# KiCad board ae89fa26-SparkFun_Thing_Plus_ESP32-S3_panelized.kicad_pcb (continued)
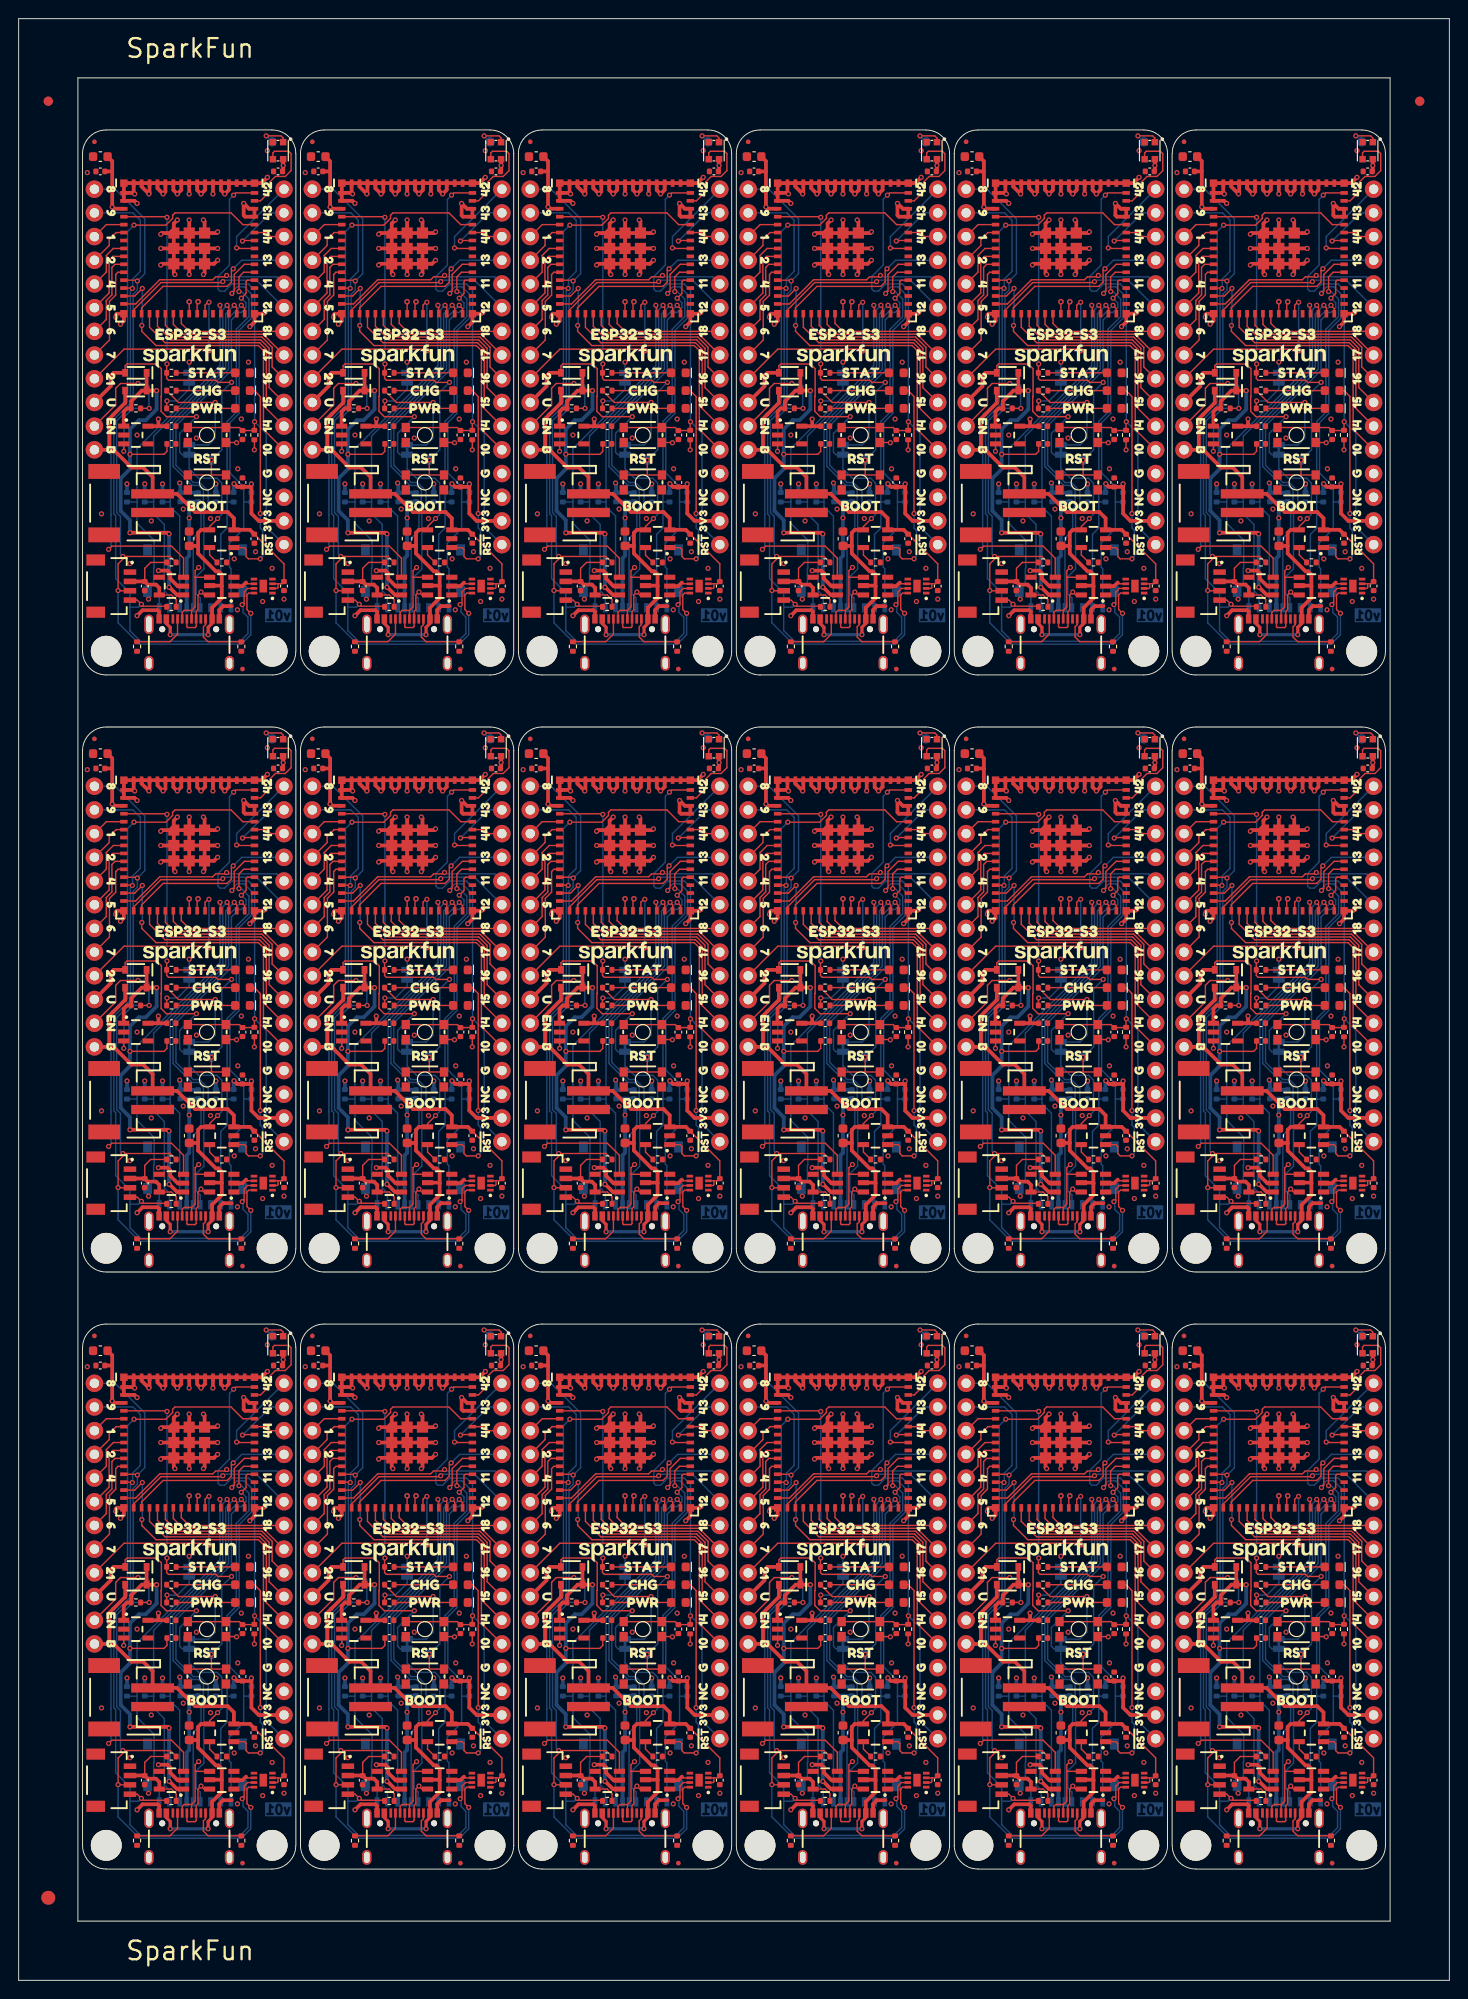
[diagram p0: board, top side]
## Routing (per net, layer and track width the routed paths; a pad name or vN(x,y) marks a point on that pad's centre or on a via; arc(x,y) is an arc through that point) (continued)
ESP13/POCI: length 337
  Top w0.152: U3#12.17 129.98,115.28 132.29,117.59 139.14,117.59 139.6,118.04 139.6,119.27 v1(139.8,119.47) ; U3#16.17 129.98,51.28 132.29,53.59 139.14,53.59 139.6,54.04 139.6,55.27 v1(139.8,55.47) ; v1(69.72,55.47) 69.52,55.27 69.52,54.04 69.06,53.59 62.21,53.59 59.9,51.28 U3#17.17 ; v1(93.08,119.47) 92.88,119.27 92.88,118.04 92.42,117.59 85.57,117.59 83.26,115.28 U3#15.17 ; U3.17 36.54,179.28 38.85,181.59 45.7,181.59 46.16,182.04 46.16,183.27 v1(46.36,183.47) ; U3#18.17 13.18,51.28 15.49,53.59 22.34,53.59 22.8,54.04 22.8,55.27 v1(23,55.47) ; v1(46.36,119.47) 46.16,119.27 46.16,118.04 45.7,117.59 38.85,117.59 36.54,115.28 U3#5.17 ; v1(139.8,183.47) 139.6,183.27 139.6,182.04 139.14,181.59 132.29,181.59 129.98,179.28 U3#13.17 ; U3#11.17 83.26,51.28 85.57,53.59 92.42,53.59 92.88,54.04 92.88,55.27 v1(93.08,55.47) ; U3#3.17 13.18,179.28 15.49,181.59 22.34,181.59 22.8,182.04 22.8,183.27 v1(23,183.47) ; U3#4.17 13.18,115.28 15.49,117.59 22.34,117.59 22.8,118.04 22.8,119.27 v1(23,119.47) ; U3#2.17 36.54,51.28 38.85,53.59 45.7,53.59 46.16,54.04 46.16,55.27 v1(46.36,55.47) ; v1(116.44,119.47) 116.24,119.27 116.24,118.04 115.78,117.59 108.93,117.59 106.62,115.28 U3#9.17 ; v1(116.44,183.47) 116.24,183.27 116.24,182.04 115.78,181.59 108.93,181.59 106.62,179.28 U3#6.17 ; v1(93.08,183.47) 92.88,183.27 92.88,182.04 92.42,181.59 85.57,181.59 83.26,179.28 U3#10.17 ; v1(69.72,119.47) 69.52,119.27 69.52,118.04 69.06,117.59 62.21,117.59 59.9,115.28 U3#8.17 ; U3#7.17 59.9,179.28 62.21,181.59 69.06,181.59 69.52,182.04 69.52,183.27 v1(69.72,183.47) ; U3#14.17 106.62,51.28 108.93,53.59 115.78,53.59 116.24,54.04 116.24,55.27 v1(116.44,55.47)
  Bottom w0.152: U10#14.16 117.35,56.38 v1(116.44,55.47) ; v1(23,183.47) 23.91,184.38 U10#2.16 ; U10#3.16 47.27,56.38 v1(46.36,55.47) ; U10#10.16 140.71,56.38 v1(139.8,55.47) ; v1(46.36,119.47) 47.27,120.38 U10#4.16 ; U10#9.16 70.63,120.38 v1(69.72,119.47) ; U10#7.16 140.71,184.38 v1(139.8,183.47) ; U10.16 23.91,120.38 v1(23,119.47) ; v1(46.36,183.47) 47.27,184.38 U10#5.16 ; v1(93.08,183.47) 93.99,184.38 U10#13.16 ; U10#6.16 70.63,56.38 v1(69.72,55.47) ; U10#16.16 117.35,184.38 v1(116.44,183.47) ; U10#17.16 93.99,120.38 v1(93.08,119.47) ; v1(93.08,55.47) 93.99,56.38 U10#11.16 ; v1(116.44,119.47) 117.35,120.38 U10#15.16 ; v1(69.72,183.47) 70.63,184.38 U10#12.16 ; U10#18.16 23.91,56.38 v1(23,55.47) ; U10#8.16 140.71,120.38 v1(139.8,119.47)
ESP14/A1: length 431.2
  Top w0.152: U10#12.23 73.27,168.49 73.27,174.82 72.55,175.54 62.41,175.54 60.75,177.2 U3#7.18 ; U3#18.18 14.03,49.2 15.69,47.54 25.83,47.54 26.55,46.82 26.55,40.49 U10#18.23 ; U3#16.18 130.83,49.2 132.49,47.54 142.63,47.54 143.35,46.82 143.35,40.49 U10#10.23 ; U3#3.18 14.03,177.2 15.69,175.54 25.83,175.54 26.55,174.82 26.55,168.49 U10#2.23 ; U3#15.18 84.11,113.2 85.77,111.54 95.91,111.54 96.63,110.82 96.63,104.49 U10#17.23 ; U3#14.18 107.47,49.2 109.13,47.54 119.27,47.54 119.99,46.82 119.99,40.49 U10#14.23 ; U10#9.23 73.27,104.49 73.27,110.82 72.55,111.54 62.41,111.54 60.75,113.2 U3#8.18 ; U3#6.18 107.47,177.2 109.13,175.54 119.27,175.54 119.99,174.82 119.99,168.49 U10#16.23 ; U3#13.18 130.83,177.2 132.49,175.54 142.63,175.54 143.35,174.82 143.35,168.49 U10#7.23 ; U10#5.23 49.91,168.49 49.91,174.82 49.19,175.54 39.05,175.54 37.39,177.2 U3.18 ; U10#8.23 143.35,104.49 143.35,110.82 142.63,111.54 132.49,111.54 130.83,113.2 U3#12.18 ; U10#15.23 119.99,104.49 119.99,110.82 119.27,111.54 109.13,111.54 107.47,113.2 U3#9.18 ; U10#6.23 73.27,40.49 73.27,46.82 72.55,47.54 62.41,47.54 60.75,49.2 U3#17.18 ; U10.23 26.55,104.49 26.55,110.82 25.83,111.54 15.69,111.54 14.03,113.2 U3#4.18 ; U10#13.23 96.63,168.49 96.63,174.82 95.91,175.54 85.77,175.54 84.11,177.2 U3#10.18 ; U10#11.23 96.63,40.49 96.63,46.82 95.91,47.54 85.77,47.54 84.11,49.2 U3#11.18 ; U10#3.23 49.91,40.49 49.91,46.82 49.19,47.54 39.05,47.54 37.39,49.2 U3#2.18 ; U3#5.18 37.39,113.2 39.05,111.54 49.19,111.54 49.91,110.82 49.91,104.49 U10#4.23
ESP15/A2: length 373.7
  Top w0.152: U10#9.22 73.57,106.73 73.57,110.95 72.67,111.85 63.06,111.85 61.6,113.3 U3#8.19 ; U10#4.22 50.21,106.73 50.21,110.95 49.31,111.85 39.7,111.85 38.24,113.3 U3#5.19 ; U10#18.22 26.85,42.73 26.85,46.95 25.95,47.85 16.34,47.85 14.88,49.3 U3#18.19 ; U10#3.22 50.21,42.73 50.21,46.95 49.31,47.85 39.7,47.85 38.24,49.3 U3#2.19 ; U3#14.19 108.32,49.3 109.78,47.85 119.39,47.85 120.29,46.95 120.29,42.73 U10#14.22 ; U10#16.22 120.29,170.73 120.29,174.95 119.39,175.85 109.78,175.85 108.32,177.3 U3#6.19 ; U3#17.19 61.6,49.3 63.06,47.85 72.67,47.85 73.57,46.95 73.57,42.73 U10#6.22 ; U3#11.19 84.96,49.3 86.42,47.85 96.03,47.85 96.93,46.95 96.93,42.73 U10#11.22 ; U10.22 26.85,106.73 26.85,110.95 25.95,111.85 16.34,111.85 14.88,113.3 U3#4.19 ; U10#7.22 143.65,170.73 143.65,174.95 142.75,175.85 133.14,175.85 131.68,177.3 U3#13.19 ; U3#3.19 14.88,177.3 16.34,175.85 25.95,175.85 26.85,174.95 26.85,170.73 U10#2.22 ; U3#10.19 84.96,177.3 86.42,175.85 96.03,175.85 96.93,174.95 96.93,170.73 U10#13.22 ; U3#12.19 131.68,113.3 133.14,111.85 142.75,111.85 143.65,110.95 143.65,106.73 U10#8.22 ; U3.19 38.24,177.3 39.7,175.85 49.31,175.85 50.21,174.95 50.21,170.73 U10#5.22 ; U10#10.22 143.65,42.73 143.65,46.95 142.75,47.85 133.14,47.85 131.68,49.3 U3#16.19 ; U3#7.19 61.6,177.3 63.06,175.85 72.67,175.85 73.57,174.95 73.57,170.73 U10#12.22 ; U3#15.19 84.96,113.3 86.42,111.85 96.03,111.85 96.93,110.95 96.93,106.73 U10#17.22 ; U10#15.22 120.29,106.73 120.29,110.95 119.39,111.85 109.78,111.85 108.32,113.3 U3#9.19
ESP16/A3: length 316.1
  Top w0.152: U10#15.21 120.61,108.95 120.61,111.06 119.52,112.15 110.42,112.15 109.17,113.41 U3#9.20 ; U10#6.21 73.89,44.95 73.89,47.06 72.8,48.15 63.7,48.15 62.45,49.41 U3#17.20 ; U10#12.21 73.89,172.95 73.89,175.06 72.8,176.15 63.7,176.15 62.45,177.41 U3#7.20 ; U10#13.21 97.25,172.95 97.25,175.06 96.16,176.15 87.06,176.15 85.81,177.41 U3#10.20 ; U10#4.21 50.53,108.95 50.53,111.06 49.44,112.15 40.34,112.15 39.09,113.41 U3#5.20 ; U3#3.20 15.73,177.41 16.98,176.15 26.08,176.15 27.17,175.06 27.17,172.95 U10#2.21 ; U3#13.20 132.53,177.41 133.78,176.15 142.88,176.15 143.97,175.06 143.97,172.95 U10#7.21 ; U10#8.21 143.97,108.95 143.97,111.06 142.88,112.15 133.78,112.15 132.53,113.41 U3#12.20 ; U3#16.20 132.53,49.41 133.78,48.15 142.88,48.15 143.97,47.06 143.97,44.95 U10#10.21 ; U3#14.20 109.17,49.41 110.42,48.15 119.52,48.15 120.61,47.06 120.61,44.95 U10#14.21 ; U3#18.20 15.73,49.41 16.98,48.15 26.08,48.15 27.17,47.06 27.17,44.95 U10#18.21 ; U3#6.20 109.17,177.41 110.42,176.15 119.52,176.15 120.61,175.06 120.61,172.95 U10#16.21 ; U10#3.21 50.53,44.95 50.53,47.06 49.44,48.15 40.34,48.15 39.09,49.41 U3#2.20 ; U10#17.21 97.25,108.95 97.25,111.06 96.16,112.15 87.06,112.15 85.81,113.41 U3#15.20 ; U10#5.21 50.53,172.95 50.53,175.06 49.44,176.15 40.34,176.15 39.09,177.41 U3.20 ; U3#11.20 85.81,49.41 87.06,48.15 96.16,48.15 97.25,47.06 97.25,44.95 U10#11.21 ; U3#8.20 62.45,113.41 63.7,112.15 72.8,112.15 73.89,111.06 73.89,108.95 U10#9.21 ; U3#4.20 15.73,113.41 16.98,112.15 26.08,112.15 27.17,111.06 27.17,108.95 U10.21
ESP17/A4: length 258.6
  Top w0.152: U10#6.20 72.92,48.46 64.35,48.46 63.3,49.51 U3#17.21 ; U3#7.21 63.3,177.51 64.35,176.46 72.92,176.46 U10#12.20 ; U3#6.21 110.02,177.51 111.07,176.46 119.64,176.46 U10#16.20 ; U10#9.20 72.92,112.46 64.35,112.46 63.3,113.51 U3#8.21 ; U10#17.20 96.28,112.46 87.71,112.46 86.66,113.51 U3#15.21 ; U3#12.21 133.38,113.51 134.43,112.46 143,112.46 U10#8.20 ; U3#3.21 16.58,177.51 17.63,176.46 26.2,176.46 U10#2.20 ; U3#4.21 16.58,113.51 17.63,112.46 26.2,112.46 U10.20 ; U3#2.21 39.94,49.51 40.99,48.46 49.56,48.46 U10#3.20 ; U10#15.20 119.64,112.46 111.07,112.46 110.02,113.51 U3#9.21 ; U10#13.20 96.28,176.46 87.71,176.46 86.66,177.51 U3#10.21 ; U10#5.20 49.56,176.46 40.99,176.46 39.94,177.51 U3.21 ; U10#7.20 143,176.46 134.43,176.46 133.38,177.51 U3#13.21 ; U3#5.21 39.94,113.51 40.99,112.46 49.56,112.46 U10#4.20 ; U3#14.21 110.02,49.51 111.07,48.46 119.64,48.46 U10#14.20 ; U3#16.21 133.38,49.51 134.43,48.46 143,48.46 U10#10.20 ; U3#11.21 86.66,49.51 87.71,48.46 96.28,48.46 U10#11.20 ; U3#18.21 16.58,49.51 17.63,48.46 26.2,48.46 U10#18.20
ESP18/A5: length 223.2
  Top w0.152: U3#8.22 64.15,113.61 65,112.76 U10#9.19 ; U10#2.19 18.28,176.76 17.43,177.61 U3#3.22 ; U10#15.19 111.72,112.76 110.87,113.61 U3#9.22 ; U3#6.22 110.87,177.61 111.72,176.76 U10#16.19 ; U3#16.22 134.23,49.61 135.08,48.76 U10#10.19 ; U3#15.22 87.51,113.61 88.36,112.76 U10#17.19 ; U10#14.19 111.72,48.76 110.87,49.61 U3#14.22 ; U3#10.22 87.51,177.61 88.36,176.76 U10#13.19 ; U10#6.19 65,48.76 64.15,49.61 U3#17.22 ; U10.19 18.28,112.76 17.43,113.61 U3#4.22 ; U10#3.19 41.64,48.76 40.79,49.61 U3#2.22 ; U3#12.22 134.23,113.61 135.08,112.76 U10#8.19 ; U10#11.19 88.36,48.76 87.51,49.61 U3#11.22 ; U10#4.19 41.64,112.76 40.79,113.61 U3#5.22 ; U3#13.22 134.23,177.61 135.08,176.76 U10#7.19 ; U10#5.19 41.64,176.76 40.79,177.61 U3.22 ; U3#18.22 17.43,49.61 18.28,48.76 U10#18.19 ; U10#12.19 65,176.76 64.15,177.61 U3#7.22
ESP19/D-: length 713.2
  Top w0.152: 18.53,18.85 17.74,18.85 17.53,18.64 J1#18.B7 ; 18.53,18.85 18.92,19.23 18.92,22.42 ; 18.53,18.85 J1#18.A7 ; 65.25,18.85 65.63,19.23 65.63,22.42 ; 65.25,18.85 64.46,18.85 64.25,18.64 J1#2.B7 ; 65.25,18.85 J1#2.A7 ; U2#18.4 18.93,22.41 18.92,22.42 ; v1(42.66,151.45) 42.62,151.45 42.28,151.1 42.28,150.42 ; U3#2.23 v2(41.64,51.94) ; 18.92,150.42 18.92,151.1 19.26,151.45 v1(19.3,151.45) ; 18.92,150.42 18.92,147.23 18.53,146.85 ; 18.92,150.42 18.93,150.41 U2#3.4 ; U2#5.4 65.65,22.41 65.63,22.42 ; U3#9.23 v2(111.72,115.94) ; U3#11.23 v2(88.36,51.94) ; U3#4.23 v2(18.28,115.94) ; 112.35,86.42 112.35,83.23 111.97,82.85 ; 112.35,86.42 112.37,86.41 U2#8.4 ; 112.35,86.42 112.35,87.1 112.7,87.45 v1(112.74,87.45) ; J1#10.A7 135.33,82.85 ; 135.33,82.85 135.72,83.23 135.72,86.42 ; 135.33,82.85 134.54,82.85 134.33,82.64 J1#10.B7 ; 135.72,150.42 135.72,147.23 135.33,146.85 ; 135.72,150.42 135.73,150.41 U2#10.4 ; 135.72,150.42 135.72,151.1 136.06,151.45 v1(136.1,151.45) ; J1#3.A7 41.89,82.85 ; 41.89,82.85 42.28,83.23 42.28,86.42 ; 41.89,82.85 41.1,82.85 40.89,82.64 J1#3.B7 ; 135.33,18.85 135.72,19.23 135.72,22.42 ; 135.33,18.85 J1#9.A7 ; 135.33,18.85 134.54,18.85 134.33,18.64 J1#9.B7 ; 89,22.42 89,19.23 88.61,18.85 ; 89,22.42 89.01,22.41 U2#11.4 ; 89,22.42 89,23.1 89.34,23.45 v1(89.38,23.45) ; U3#14.23 v2(111.72,51.94) ; 41.89,146.85 41.1,146.85 40.89,146.64 J1#12.B7 ; 41.89,146.85 42.28,147.23 42.28,150.42 ; 41.89,146.85 J1#12.A7 ; 42.28,22.42 42.28,23.1 42.62,23.45 v1(42.66,23.45) ; 42.28,22.42 42.28,19.23 41.89,18.85 ; 42.28,22.42 42.29,22.41 U2.4 ; J1#14.B7 110.97,82.64 111.18,82.85 111.97,82.85 ; 89,86.42 89,83.23 88.61,82.85 ; 89,86.42 89,87.1 89.34,87.45 v1(89.38,87.45) ; 89,86.42 89.01,86.41 U2#9.4 ; 88.61,146.85 89,147.23 89,150.42 ; 88.61,146.85 J1#17.A7 ; 88.61,146.85 87.82,146.85 87.61,146.64 J1#17.B7 ; 65.25,146.85 65.63,147.23 65.63,150.42 ; 65.25,146.85 J1#13.A7 ; 65.25,146.85 64.46,146.85 64.25,146.64 J1#13.B7 ; 135.72,22.42 135.72,23.1 136.06,23.45 v1(136.1,23.45) ; 135.72,22.42 135.73,22.41 U2#4.4 ; 88.61,82.85 87.82,82.85 87.61,82.64 J1#5.B7 ; 88.61,82.85 J1#5.A7 ; 18.92,86.42 18.92,87.1 19.26,87.45 v1(19.3,87.45) ; 18.92,86.42 18.93,86.41 U2#2.4 ; 18.92,86.42 18.92,83.23 18.53,82.85 ; 135.33,146.85 J1#11.A7 ; 135.33,146.85 134.54,146.85 134.33,146.64 J1#11.B7 ; v1(136.1,87.45) 136.06,87.45 135.72,87.1 135.72,86.42 ; 111.97,82.85 J1#14.A7 ; 111.97,18.85 112.35,19.23 112.35,22.42 ; 111.97,18.85 111.18,18.85 110.97,18.64 J1#6.B7 ; 111.97,18.85 J1#6.A7 ; 89,150.42 89.01,150.41 U2#17.4 ; 89,150.42 89,151.1 89.34,151.45 v1(89.38,151.45) ; U3#3.23 v2(18.28,179.94) ; 65.63,150.42 65.63,151.1 65.98,151.45 v1(66.02,151.45) ; 65.63,150.42 65.65,150.41 U2#6.4 ; v1(42.66,87.45) 42.62,87.45 42.28,87.1 42.28,86.42 ; J1#7.B7 110.97,146.64 111.18,146.85 111.97,146.85 ; U3#13.23 v2(135.08,179.94) ; J1.B7 17.53,82.64 17.74,82.85 18.53,82.85 ; 112.35,22.42 112.35,23.1 112.7,23.45 v1(112.74,23.45) ; 112.35,22.42 112.37,22.41 U2#15.4 ; U3.23 v2(41.64,179.94) ; 18.92,22.42 18.92,23.1 19.26,23.45 v1(19.3,23.45) ; 42.28,150.42 42.29,150.41 U2#12.4 ; 65.63,86.42 65.63,87.1 65.98,87.45 v1(66.02,87.45) ; 65.63,86.42 65.63,83.23 65.25,82.85 ; 65.63,86.42 65.65,86.41 U2#14.4 ; v1(66.02,23.45) 65.98,23.45 65.63,23.1 65.63,22.42 ; J1#15.A7 18.53,146.85 ; 18.53,146.85 17.74,146.85 17.53,146.64 J1#15.B7 ; 65.25,82.85 J1#8.A7 ; 65.25,82.85 64.46,82.85 64.25,82.64 J1#8.B7 ; J1#4.A7 88.61,18.85 ; 88.61,18.85 87.82,18.85 87.61,18.64 J1#4.B7 ; U3#10.23 v2(88.36,179.94) ; U3#8.23 v2(65,115.94) ; 42.28,86.42 42.29,86.41 U2#16.4 ; U3#15.23 v2(88.36,115.94) ; U3#16.23 v2(135.08,51.94) ; 18.53,82.85 J1.A7 ; U3#12.23 v2(135.08,115.94) ; 41.89,18.85 41.1,18.85 40.89,18.64 J1#16.B7 ; 41.89,18.85 J1#16.A7 ; U3#7.23 v2(65,179.94) ; 112.35,150.42 112.35,151.1 112.7,151.45 v1(112.74,151.45) ; 112.35,150.42 112.37,150.41 U2#13.4 ; 112.35,150.42 112.35,147.23 111.97,146.85 ; J1#7.A7 111.97,146.85 ; 135.72,86.42 135.73,86.41 U2#7.4 ; U3#5.23 v2(41.64,115.94) ; U3#17.23 v2(65,51.94) ; U3#18.23 v2(18.28,51.94) ; U3#6.23 v2(111.72,179.94)
  In1.Cu - GND w0.152: v2(111.72,179.94) 111.73,179.94 113,178.67 113,153.27 112.74,153 v1(112.74,151.45) ; v1(89.38,23.45) 89.38,25 89.64,25.27 89.64,50.67 88.37,51.94 v2(88.36,51.94) ; v2(135.08,115.94) 135.09,115.94 136.36,114.67 136.36,89.27 136.1,89 v1(136.1,87.45) ; v2(41.64,51.94) 41.65,51.94 42.92,50.67 42.92,25.27 42.66,25 v1(42.66,23.45) ; v1(66.02,87.45) 66.02,89 66.28,89.27 66.28,114.67 65.01,115.94 v2(65,115.94) ; v1(66.02,23.45) 66.02,25 66.28,25.27 66.28,50.67 65.01,51.94 v2(65,51.94) ; v2(135.08,179.94) 135.09,179.94 136.36,178.67 136.36,153.27 136.1,153 v1(136.1,151.45) ; v1(112.74,87.45) 112.74,89 113,89.27 113,114.67 111.73,115.94 v2(111.72,115.94) ; v1(19.3,151.45) 19.3,153 19.56,153.27 19.56,178.67 18.29,179.94 v2(18.28,179.94) ; v2(18.28,51.94) 18.29,51.94 19.56,50.67 19.56,25.27 19.3,25 v1(19.3,23.45) ; v1(89.38,151.45) 89.38,153 89.64,153.27 89.64,178.67 88.37,179.94 v2(88.36,179.94) ; v2(41.64,179.94) 41.65,179.94 42.92,178.67 42.92,153.27 42.66,153 v1(42.66,151.45) ; v2(135.08,51.94) 135.09,51.94 136.36,50.67 136.36,25.27 136.1,25 v1(136.1,23.45) ; v2(88.36,115.94) 88.37,115.94 89.64,114.67 89.64,89.27 89.38,89 v1(89.38,87.45) ; v2(111.72,51.94) 111.73,51.94 113,50.67 113,25.27 112.74,25 v1(112.74,23.45) ; v2(65,179.94) 65.01,179.94 66.28,178.67 66.28,153.27 66.02,153 v1(66.02,151.45) ; v2(41.64,115.94) 41.65,115.94 42.92,114.67 42.92,89.27 42.66,89 v1(42.66,87.45) ; v1(19.3,87.45) 19.3,89 19.56,89.27 19.56,114.67 18.29,115.94 v2(18.28,115.94)
ESP20/D+: length 715
  Top w0.152: v2(65.95,179.94) 65.85,179.83 U3#7.24 ; U2#5.6 66.59,20.51 v1(66.27,20.82) 65.94,20.49 65.94,18.92 65.75,18.73 J1#2.B6 65.75,17.12 65.63,17.01 64.84,17.01 64.75,17.1 J1#2.A6 ; J1#12.A6 41.39,145.1 41.48,145.01 42.28,145.01 42.39,145.12 J1#12.B6 42.39,146.73 42.58,146.92 42.58,148.49 v1(42.91,148.82) 43.22,148.51 U2#12.6 ; J1#9.A6 134.83,17.1 134.92,17.01 135.72,17.01 135.83,17.12 J1#9.B6 135.83,18.73 136.02,18.92 136.02,20.49 v1(136.35,20.82) 136.66,20.51 U2#4.6 ; U3#8.24 65.85,115.83 v2(65.95,115.94) ; v2(136.03,179.94) 135.93,179.83 U3#13.24 ; v2(136.03,115.94) 135.93,115.83 U3#12.24 ; J1#14.A6 111.47,81.1 111.56,81.01 112.35,81.01 112.47,81.13 J1#14.B6 112.47,82.73 112.66,82.92 112.66,84.49 v1(112.99,84.82) 113.31,84.51 U2#8.6 ; U2#10.6 136.66,148.51 v1(136.35,148.82) 136.02,148.49 136.02,146.92 135.83,146.73 J1#11.B6 135.83,145.12 135.72,145.01 134.92,145.01 134.83,145.1 J1#11.A6 ; U2#11.6 89.94,20.51 v1(89.63,20.82) 89.3,20.49 89.3,18.92 89.11,18.73 J1#4.B6 89.11,17.12 89,17.01 88.2,17.01 88.11,17.1 J1#4.A6 ; v2(19.23,51.94) 19.13,51.83 U3#18.24 ; U3#16.24 135.93,51.83 v2(136.03,51.94) ; J1#10.A6 134.83,81.1 134.92,81.01 135.72,81.01 135.83,81.13 J1#10.B6 135.83,82.73 136.02,82.92 136.02,84.49 v1(136.35,84.82) 136.66,84.51 U2#7.6 ; J1#13.A6 64.75,145.1 64.84,145.01 65.63,145.01 65.75,145.12 J1#13.B6 65.75,146.73 65.94,146.92 65.94,148.49 v1(66.27,148.82) 66.59,148.51 U2#6.6 ; U2.6 43.22,20.51 v1(42.91,20.82) 42.58,20.49 42.58,18.92 42.39,18.73 J1#16.B6 42.39,17.12 42.28,17.01 41.48,17.01 41.39,17.1 J1#16.A6 ; U3#3.24 19.13,179.83 v2(19.23,179.94) ; U3#2.24 42.49,51.83 v2(42.59,51.94) ; J1#6.A6 111.47,17.1 111.56,17.01 112.35,17.01 112.47,17.12 J1#6.B6 112.47,18.73 112.66,18.92 112.66,20.49 v1(112.99,20.82) 113.31,20.51 U2#15.6 ; U3#17.24 65.85,51.83 v2(65.95,51.94) ; U3#14.24 112.57,51.83 v2(112.67,51.94) ; v2(89.31,179.94) 89.21,179.83 U3#10.24 ; U3#9.24 112.57,115.83 v2(112.67,115.94) ; v2(42.59,179.94) 42.49,179.83 U3.24 ; U3#4.24 19.13,115.83 v2(19.23,115.94) ; U2#16.6 43.22,84.51 v1(42.91,84.82) 42.58,84.49 42.58,82.92 42.39,82.73 J1#3.B6 42.39,81.13 42.28,81.01 41.48,81.01 41.39,81.1 J1#3.A6 ; U2#9.6 89.94,84.51 v1(89.63,84.82) 89.3,84.49 89.3,82.92 89.11,82.73 J1#5.B6 89.11,81.13 89,81.01 88.2,81.01 88.11,81.1 J1#5.A6 ; U2#2.6 19.86,84.51 v1(19.55,84.82) 19.22,84.49 19.22,82.92 19.03,82.73 J1.B6 19.03,81.13 18.92,81.01 18.12,81.01 18.03,81.1 J1.A6 ; J1#8.A6 64.75,81.1 64.84,81.01 65.63,81.01 65.75,81.13 J1#8.B6 65.75,82.73 65.94,82.92 65.94,84.49 v1(66.27,84.82) 66.59,84.51 U2#14.6 ; U2#3.6 19.86,148.51 v1(19.55,148.82) 19.22,148.49 19.22,146.92 19.03,146.73 J1#15.B6 19.03,145.12 18.92,145.01 18.12,145.01 18.03,145.1 J1#15.A6 ; v2(42.59,115.94) 42.49,115.83 U3#5.24 ; U2#13.6 113.31,148.51 v1(112.99,148.82) 112.66,148.49 112.66,146.92 112.47,146.73 J1#7.B6 112.47,145.12 112.35,145.01 111.56,145.01 111.47,145.1 J1#7.A6 ; U3#15.24 89.21,115.83 v2(89.31,115.94) ; U2#18.6 19.86,20.51 v1(19.55,20.82) 19.22,20.49 19.22,18.92 19.03,18.73 J1#18.B6 19.03,17.12 18.92,17.01 18.12,17.01 18.03,17.1 J1#18.A6 ; U3#6.24 112.57,179.83 v2(112.67,179.94) ; v2(89.31,51.94) 89.21,51.83 U3#11.24 ; J1#17.A6 88.11,145.1 88.2,145.01 89,145.01 89.11,145.12 J1#17.B6 89.11,146.73 89.3,146.92 89.3,148.49 v1(89.63,148.82) 89.94,148.51 U2#17.6
  In1.Cu - GND w0.152: v1(136.35,84.82) 136.67,85.14 136.67,115.3 v2(136.03,115.94) ; v2(19.23,115.94) 19.87,115.3 19.87,85.14 v1(19.55,84.82) ; v2(65.95,179.94) 66.59,179.3 66.59,149.14 v1(66.27,148.82) ; v2(42.59,51.94) 43.23,51.3 43.23,21.14 v1(42.91,20.82) ; v1(112.99,20.82) 113.31,21.14 113.31,51.3 v2(112.67,51.94) ; v1(19.55,148.82) 19.87,149.14 19.87,179.3 v2(19.23,179.94) ; v2(112.67,115.94) 113.31,115.3 113.31,85.14 v1(112.99,84.82) ; v1(42.91,148.82) 43.23,149.14 43.23,179.3 v2(42.59,179.94) ; v2(19.23,51.94) 19.87,51.3 19.87,21.14 v1(19.55,20.82) ; v1(136.35,148.82) 136.67,149.14 136.67,179.3 v2(136.03,179.94) ; v1(66.27,20.82) 66.59,21.14 66.59,51.3 v2(65.95,51.94) ; v1(112.99,148.82) 113.31,149.14 113.31,179.3 v2(112.67,179.94) ; v2(136.03,51.94) 136.67,51.3 136.67,21.14 v1(136.35,20.82) ; v1(42.91,84.82) 43.23,85.14 43.23,115.3 v2(42.59,115.94) ; v2(89.31,51.94) 89.95,51.3 89.95,21.14 v1(89.63,20.82) ; v2(65.95,115.94) 66.59,115.3 66.59,85.14 v1(66.27,84.82) ; v1(89.63,148.82) 89.95,149.14 89.95,179.3 v2(89.31,179.94) ; v2(89.31,115.94) 89.95,115.3 89.95,85.14 v1(89.63,84.82)
ESP21: length 365.4
  Top w0.152: v2(20.4,46.7) 20.25,46.86 11.3,46.86 U10#18.9 ; v1(113.84,51.88) 113.73,51.88 113.42,51.57 U3#14.25 ; v2(43.76,46.7) 43.61,46.86 34.66,46.86 U10#3.9 ; v2(43.76,174.7) 43.61,174.86 34.66,174.86 U10#5.9 ; v1(67.12,179.88) 67.01,179.88 66.7,179.57 U3#7.25 ; v2(43.76,110.7) 43.61,110.86 34.66,110.86 U10#4.9 ; U3#8.25 66.7,115.57 67.01,115.88 v1(67.12,115.88) ; U10#13.9 81.38,174.86 90.33,174.86 v2(90.48,174.7) ; U3#5.25 43.34,115.57 43.65,115.88 v1(43.76,115.88) ; U3#17.25 66.7,51.57 67.01,51.88 v1(67.12,51.88) ; v1(90.48,51.88) 90.37,51.88 90.06,51.57 U3#11.25 ; U10#10.9 128.09,46.86 137.05,46.86 v2(137.2,46.7) ; U10#17.9 81.38,110.86 90.33,110.86 v2(90.48,110.7) ; v2(113.84,174.7) 113.69,174.86 104.74,174.86 U10#16.9 ; U10#6.9 58.01,46.86 66.97,46.86 v2(67.12,46.7) ; U3#18.25 19.98,51.57 20.29,51.88 v1(20.4,51.88) ; U3#2.25 43.34,51.57 43.65,51.88 v1(43.76,51.88) ; U10#8.9 128.09,110.86 137.05,110.86 v2(137.2,110.7) ; U10#2.9 11.3,174.86 20.25,174.86 v2(20.4,174.7) ; v1(137.2,115.88) 137.09,115.88 136.78,115.57 U3#12.25 ; U10#9.9 58.01,110.86 66.97,110.86 v2(67.12,110.7) ; U10#11.9 81.38,46.86 90.33,46.86 v2(90.48,46.7) ; U3.25 43.34,179.57 43.65,179.88 v1(43.76,179.88) ; v2(113.84,110.7) 113.69,110.86 104.74,110.86 U10#15.9 ; U3#15.25 90.06,115.57 90.37,115.88 v1(90.48,115.88) ; v1(137.2,179.88) 137.09,179.88 136.78,179.57 U3#13.25 ; U10#12.9 58.01,174.86 66.97,174.86 v2(67.12,174.7) ; U3#6.25 113.42,179.57 113.73,179.88 v1(113.84,179.88) ; v2(137.2,174.7) 137.05,174.86 128.09,174.86 U10#7.9 ; U3#16.25 136.78,51.57 137.09,51.88 v1(137.2,51.88) ; U3#4.25 19.98,115.57 20.29,115.88 v1(20.4,115.88) ; U3#10.25 90.06,179.57 90.37,179.88 v1(90.48,179.88) ; v2(113.84,46.7) 113.69,46.86 104.74,46.86 U10#14.9 ; v1(20.4,179.88) 20.29,179.88 19.98,179.57 U3#3.25 ; v1(113.84,115.88) 113.73,115.88 113.42,115.57 U3#9.25 ; U10.9 11.3,110.86 20.25,110.86 v2(20.4,110.7)
  Bottom w0.152: v2(137.2,174.7) v1(137.2,179.88) ; v2(20.4,110.7) v1(20.4,115.88) ; v2(90.48,110.7) v1(90.48,115.88) ; v2(43.76,174.7) v1(43.76,179.88) ; v2(43.76,110.7) v1(43.76,115.88) ; v2(90.48,174.7) v1(90.48,179.88) ; v2(137.2,46.7) v1(137.2,51.88) ; v2(20.4,174.7) v1(20.4,179.88) ; v2(67.12,46.7) v1(67.12,51.88) ; v2(67.12,110.7) v1(67.12,115.88) ; v2(90.48,46.7) v1(90.48,51.88) ; v2(43.76,46.7) v1(43.76,51.88) ; v2(20.4,46.7) v1(20.4,51.88) ; v2(113.84,110.7) v1(113.84,115.88) ; v2(113.84,174.7) v1(113.84,179.88) ; v2(113.84,46.7) v1(113.84,51.88) ; v2(137.2,110.7) v1(137.2,115.88) ; v2(67.12,174.7) v1(67.12,179.88)
ESP33/SDIO3: length 689.8
  Top w0.152: U3#15.28 92.61,115.37 v1(92.42,115.55) ; U3#3.28 22.53,179.37 v1(22.34,179.55) ; v1(115.78,51.55) 115.97,51.37 U3#14.28 ; v1(45.7,115.55) 45.89,115.37 U3#5.28 ; U3#16.28 139.33,51.37 v1(139.14,51.55) ; U3#2.28 45.89,51.37 v1(45.7,51.55) ; U3#9.28 115.97,115.37 v1(115.78,115.55) ; v1(69.06,115.55) 69.25,115.37 U3#8.28 ; U3#12.28 139.33,115.37 v1(139.14,115.55) ; U3#11.28 92.61,51.37 v1(92.42,51.55) ; v1(115.78,179.55) 115.97,179.37 U3#6.28 ; v1(45.7,179.55) 45.89,179.37 U3.28 ; U3#17.28 69.25,51.37 v1(69.06,51.55) ; U3#13.28 139.33,179.37 v1(139.14,179.55) ; U3#18.28 22.53,51.37 v1(22.34,51.55) ; v1(92.42,179.55) 92.61,179.37 U3#10.28 ; v1(69.06,179.55) 69.25,179.37 U3#7.28 ; v1(22.34,115.55) 22.53,115.37 U3#4.28
  Bottom w0.152: 131.27,30.47 131.27,37.53 138.69,44.95 138.69,51.1 v1(139.14,51.55) ; 131.27,30.47 131.27,30.47 R6#8.2 ; 131.27,30.47 131.27,29.2 132.41,28.06 132.41,20.95 132.97,20.4 132.97,19.13 ; R6#2.2 131.27,94.47 131.27,94.47 ; 14.47,30.47 14.47,30.47 R6#18.2 ; 14.47,30.47 14.47,29.2 15.61,28.06 15.61,20.95 16.17,20.4 16.17,19.13 ; 14.47,30.47 14.47,37.53 21.89,44.95 21.89,51.1 v1(22.34,51.55) ; 37.83,30.47 37.83,29.2 38.97,28.06 38.97,20.95 39.53,20.4 39.53,19.13 ; 37.83,30.47 37.83,30.47 R6#17.2 ; 37.83,30.47 37.83,37.53 45.25,44.95 45.25,51.1 v1(45.7,51.55) ; J2#12.2 62.88,84.4 62.33,84.95 62.33,92.06 61.19,93.2 61.19,94.47 ; 14.47,158.47 14.47,158.47 R6#14.2 ; 14.47,158.47 14.47,157.2 15.61,156.06 15.61,148.95 16.17,148.4 J2#13.2 ; 14.47,158.47 14.47,165.53 21.89,172.95 21.89,179.1 v1(22.34,179.55) ; 84.55,158.47 84.55,165.53 91.97,172.95 91.97,179.1 v1(92.42,179.55) ; 84.55,158.47 84.55,158.47 R6#13.2 ; 84.55,158.47 84.55,157.2 85.69,156.06 85.69,148.95 86.25,148.4 J2#6.2 ; 131.27,94.47 131.27,93.2 132.41,92.06 132.41,84.95 132.97,84.4 J2#10.2 ; 131.27,94.47 131.27,101.53 138.69,108.95 138.69,115.1 v1(139.14,115.55) ; v1(92.42,115.55) 91.97,115.1 91.97,108.95 84.55,101.53 84.55,94.47 ; 84.55,94.47 84.55,93.2 85.69,92.06 85.69,84.95 86.25,84.4 J2#16.2 ; 84.55,94.47 84.55,94.47 R6#9.2 ; 84.55,30.47 84.55,37.53 91.97,44.95 91.97,51.1 v1(92.42,51.55) ; 84.55,30.47 84.55,29.2 85.69,28.06 85.69,20.95 86.25,20.4 86.25,19.13 ; 84.55,30.47 84.55,30.47 R6#3.2 ; 107.91,158.47 107.91,165.53 115.33,172.95 115.33,179.1 v1(115.78,179.55) ; 107.91,158.47 107.91,158.47 R6.2 ; 107.91,158.47 107.91,157.2 109.05,156.06 109.05,148.95 109.6,148.4 J2#9.2 ; v1(69.06,179.55) 68.61,179.1 68.61,172.95 61.19,165.53 61.19,158.47 ; v1(45.7,115.55) 45.25,115.1 45.25,108.95 37.83,101.53 37.83,94.47 ; 109.6,19.13 109.6,20.4 109.05,20.95 109.05,28.06 107.91,29.2 107.91,30.47 ; 14.47,94.47 14.47,94.47 R6#16.2 ; 14.47,94.47 14.47,93.2 15.61,92.06 15.61,84.95 16.17,84.4 J2#7.2 ; 14.47,94.47 14.47,101.53 21.89,108.95 21.89,115.1 v1(22.34,115.55) ; 37.83,94.47 37.83,93.2 38.97,92.06 38.97,84.95 39.53,84.4 J2#15.2 ; 37.83,94.47 37.83,94.47 R6#15.2 ; R6#10.2 61.19,30.47 61.19,30.47 ; v1(139.14,179.55) 138.69,179.1 138.69,172.95 131.27,165.53 131.27,158.47 ; 37.83,158.47 37.83,157.2 38.97,156.06 38.97,148.95 39.53,148.4 J2#4.2 ; 37.83,158.47 37.83,158.47 R6#4.2 ; 37.83,158.47 37.83,165.53 45.25,172.95 45.25,179.1 v1(45.7,179.55) ; J2#17.2 109.6,84.4 109.05,84.95 109.05,92.06 107.91,93.2 107.91,94.47 ; 131.27,158.47 131.27,158.47 R6#5.2 ; 131.27,158.47 131.27,157.2 132.41,156.06 132.41,148.95 132.97,148.4 J2#18.2 ; 107.91,30.47 107.91,30.47 R6#7.2 ; 107.91,30.47 107.91,37.53 115.33,44.95 115.33,51.1 v1(115.78,51.55) ; R6#11.2 61.19,158.47 61.19,158.47 ; 61.19,94.47 61.19,101.53 68.61,108.95 68.61,115.1 v1(69.06,115.55) ; 61.19,94.47 61.19,94.47 R6#6.2 ; 61.19,158.47 61.19,157.2 62.33,156.06 62.33,148.95 62.88,148.4 J2#14.2 ; v1(115.78,115.55) 115.33,115.1 115.33,108.95 107.91,101.53 107.91,94.47 ; 61.19,30.47 61.19,37.53 68.61,44.95 68.61,51.1 v1(69.06,51.55) ; 61.19,30.47 61.19,29.2 62.33,28.06 62.33,20.95 62.88,20.4 62.88,19.13 ; 107.91,94.47 107.91,94.47 R6#12.2